# Altium PCB PCB.PcbDoc (part 3 of 10) (continued)
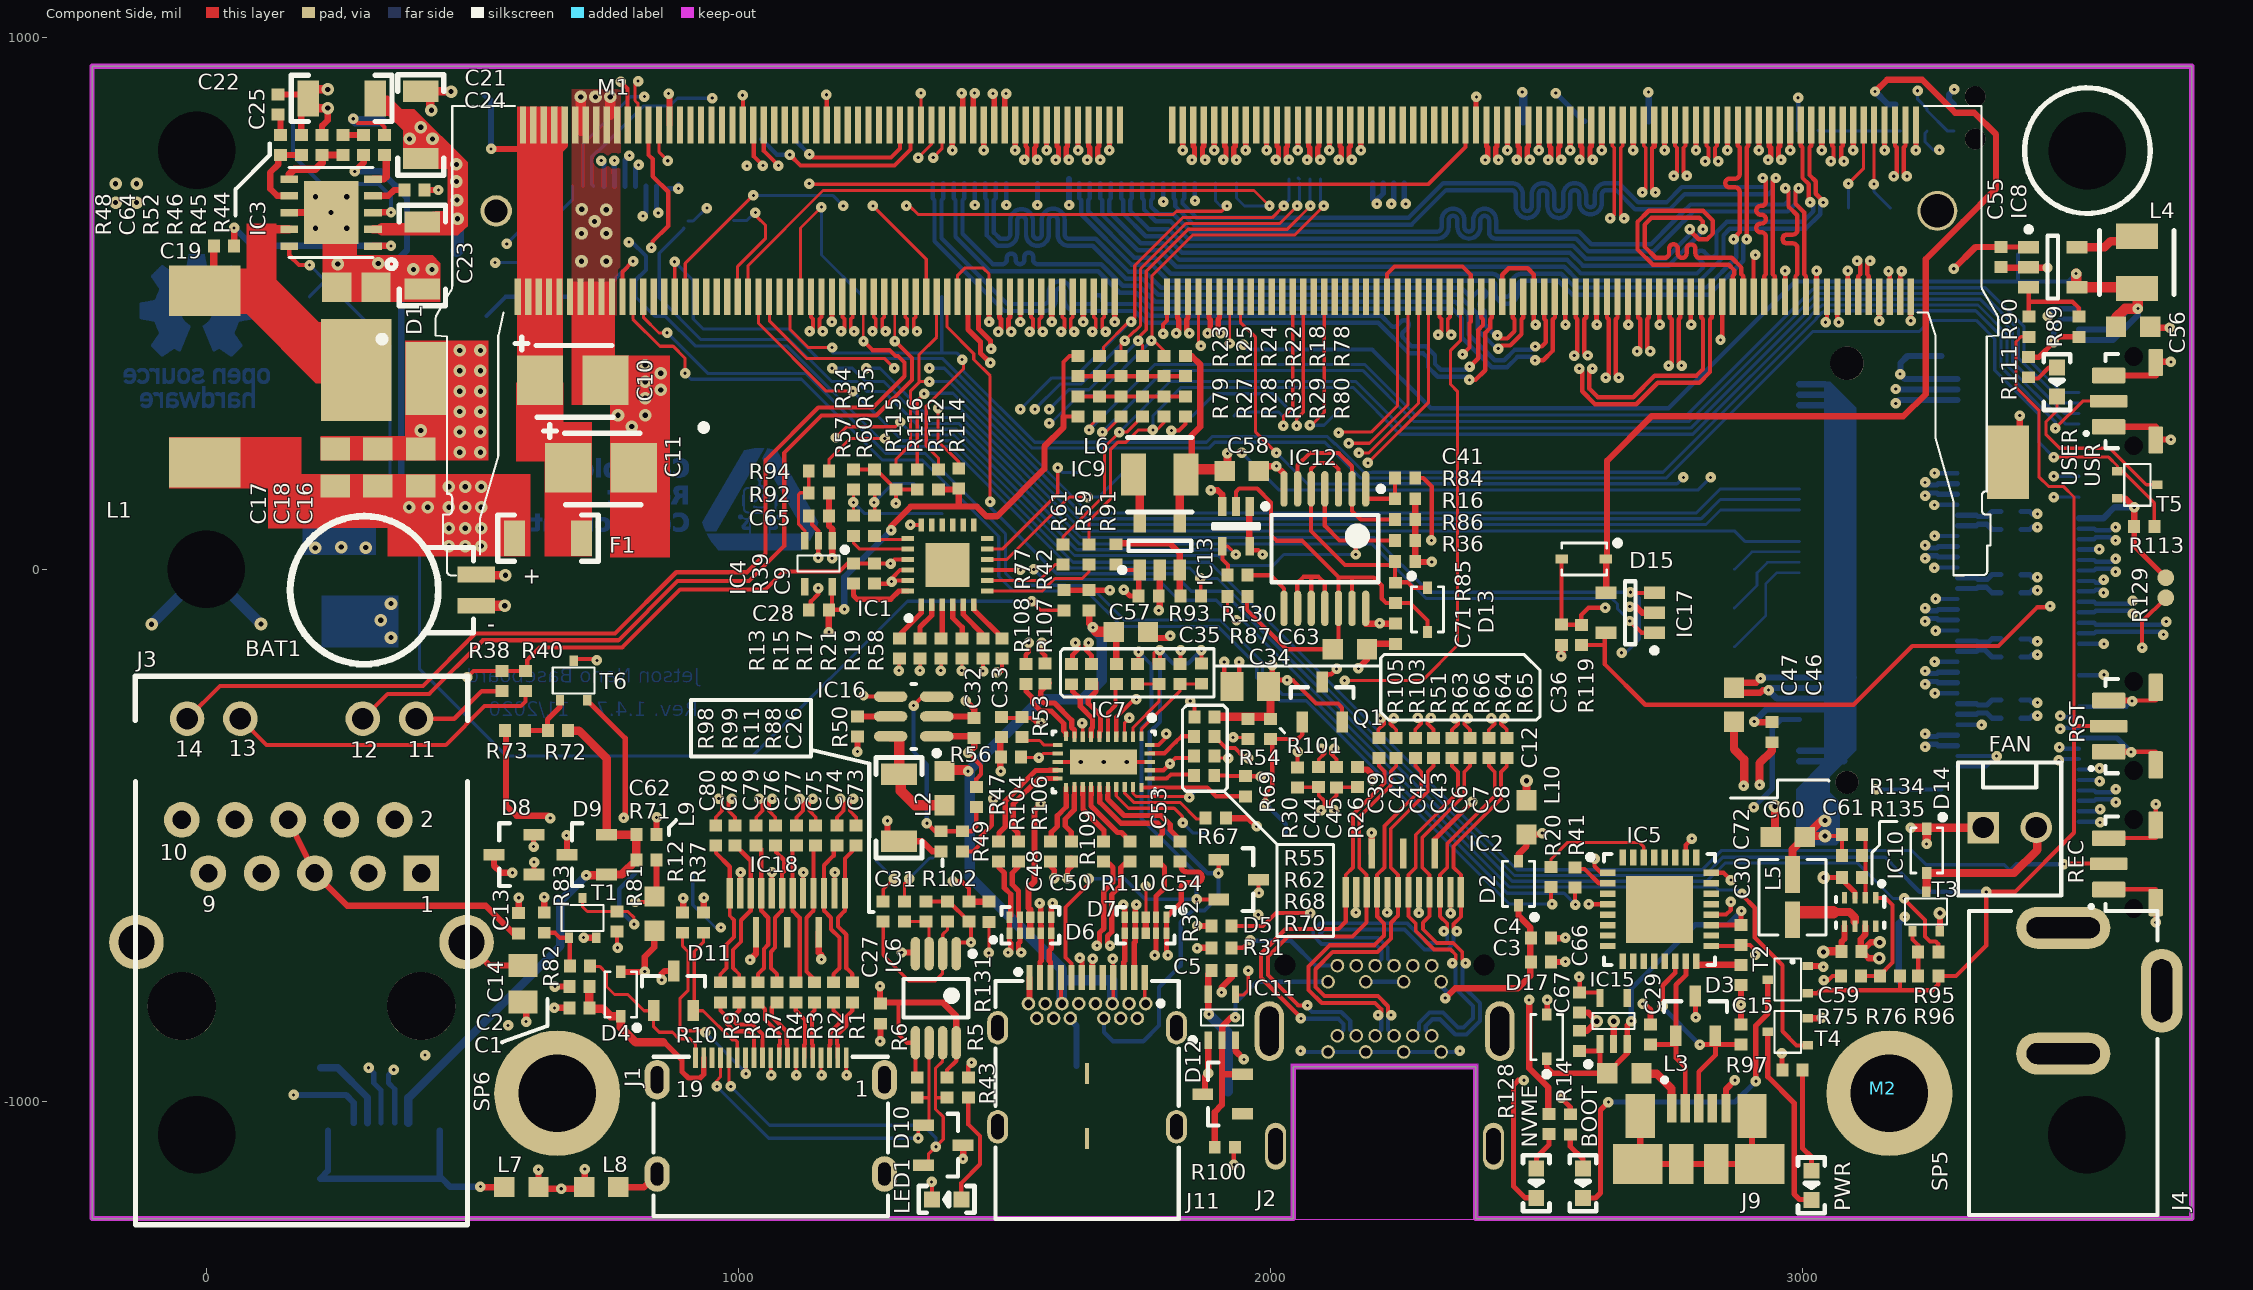
[diagram p0: Component Side view]
## Nets (pads, with @x,y where several pads share a name; then routed paths per layer and width w, separated by ;. In a path a pad name is that pad's centre, name@x,y a point inside that pad or via, vN(x,y) a via of type N, cw(c..) or ccw(c..) an arc to the next point about the centre after c; other vN are vias at no path point) (continued)
  Solder Side w8.27: J6.25@1759.26,725.63 1759.26,697.25 1762.51,694.01 1762.51,676.25 1784.62,654.14 1812.32,654.14 1844.8,621.66 2129.96,621.66 2313.53,621.66 ccw(c2313.53,643.12) 2334.99,643.12 2334.99,656.31 cw(c2343.25,656.31) 2343.25,664.58 cw(c2343.25,656.31) 2351.52,656.31 2351.52,643.12 ccw(c2372.98,643.12) 2372.98,621.66 ccw(c2372.98,643.12) 2394.44,643.12 2394.44,656.31 cw(c2402.7,656.31) 2402.7,664.58 cw(c2402.7,656.31) 2410.97,656.31 2410.97,633.92 ccw(c2423.23,633.92) 2423.23,621.66 2573.99,621.66 2597.59,598.07 2720.6,598.07 2769.33,646.8 2769.33,647.07 2780.4,658.14 2780.67,658.14 2795.13,672.6 2972.27,672.6 2986.95,687.28 2986.95,710.63 v1(2992.66,716.34)
CSI_E_D0_P: J6.26 M1.24 | length 1712.1
  Component Side w8.27: v1(2968.06,716.34) 2973.76,710.63 2973.76,681.78 2990.21,665.34 2990.21,653.99 2990.21,645.72 2990.21,637.45 cw(c2981.94,637.45) 2981.94,629.19 2970.92,629.19 ccw(c2970.92,620.92) 2962.65,620.92 ccw(c2970.92,620.92) 2970.92,612.65 2981.94,612.65 cw(c2981.94,604.38) 2990.21,604.38 2990.21,564.96 2990.21,554.5 2986.96,551.25 M1.24@2986.96,512.29
  Solder Side w8.27: J6.26@1778.94,725.63 1778.94,697.25 1775.7,694.01 1775.7,681.71 1790.08,667.33 1817.78,667.33 1850.26,634.85 2129.96,634.85 2313.53,634.85 ccw(c2313.53,643.12) 2321.8,643.12 2321.8,656.31 cw(c2343.25,656.31) 2343.25,677.77 cw(c2343.25,656.31) 2364.71,656.31 2364.71,643.12 ccw(c2372.98,643.12) 2372.98,634.85 ccw(c2372.98,643.12) 2381.25,643.12 2381.25,656.31 cw(c2402.7,656.31) 2402.7,677.77 cw(c2402.7,656.31) 2424.16,656.31 2424.16,634.85 2579.45,634.85 2603.05,611.25 2715.13,611.25 2756.14,652.26 2756.14,652.53 2774.94,671.32 2775.2,671.32 2789.67,685.79 2966.81,685.79 2973.76,692.74 2973.76,710.63 v1(2968.06,716.34)
CSI_E_D1_N: J6.23 M1.34 | length 1721.3
  Component Side w8.27: v1(2812.83,639.24) 2812.83,653.75 2805.93,660.65 2784.18,660.65 2716.33,660.65 2703.21,647.53 2703.21,606.73 2724.35,585.58 2740.89,585.58 ccw(c2740.89,593.85) 2749.16,593.85 2749.16,602.68 cw(c2757.42,602.68) 2757.42,610.95 cw(c2757.42,602.68) 2765.69,602.68 2765.69,593.85 ccw(c2773.96,593.85) 2773.96,585.58 ccw(c2773.96,593.85) 2782.23,593.85 2782.23,602.35 cw(c2790.49,602.35) 2790.49,610.62 cw(c2790.49,602.35) 2798.76,602.35 2798.76,593.85 ccw(c2807.03,593.85) 2807.03,585.58 2866.93,585.58 2885.29,567.22 2885.29,554.5 2888.53,551.25 M1.34@2888.53,512.29
  Solder Side w8.27: J6.23@1719.89,725.63 1719.89,697.25 1723.14,694.01 1723.14,668.99 1765.8,626.33 1802.83,626.33 1833.87,595.28 2563.06,595.28 2587.42,570.93 2748.32,570.93 2807.12,629.73 2807.12,633.53 v1(2812.83,639.24) v1@2812.83,637.12
CSI_E_D1_P: J6.24 M1.36 | length 1722.6
  Component Side w8.27: v1@2793.94,633.53 v1(2788.23,639.24) 2788.23,637.12 2805.01,620.34 2820.66,620.34 2831.73,631.41 2831.73,655.35 2813.24,673.84 2710.87,673.84 2690.02,652.99 2690.02,601.26 2718.89,572.39 2861.47,572.39 2872.1,561.76 2872.1,554.5 2868.85,551.25 M1.36@2868.85,512.29
  Solder Side w8.27: J6.24@1739.57,725.63 1739.57,697.25 1736.33,694.01 1736.33,674.45 1771.26,639.52 1808.29,639.52 1839.34,608.47 2568.53,608.47 2592.88,584.12 2742.86,584.12 2793.1,634.36 v1(2788.23,639.24)
CSI_F_CLK_N: M1.27 | length 68.5
  Component Side w9.84: M1.27@2957.43,835.12 2957.43,795.25 2954.97,792.79 2954.97,774.58 v1(2959.89,769.66)
CSI_F_CLK_P: M1.29 | length 68.5
  Component Side w9.84: v1(2935.28,769.66) 2940.21,774.58 2940.21,792.79 2937.75,795.25 M1.29@2937.75,835.12
CSI_F_D0_N: J6.21 M1.21 | length 1718.6
  Component Side w8.27: M1.21@3016.49,835.12 3016.49,796.25 3013.24,793.01 3013.24,741.14 3024.75,729.63 3024.75,706.11 3038.96,691.91 v1(3038.96,689.79)
  Solder Side w8.27: J6.21@1680.52,725.63 1680.52,697.25 1683.77,694.01 1683.77,666.86 1750.68,599.95 1791.9,599.95 1822.95,568.91 2552.14,568.91 2578.16,542.89 2807.27,542.89 2851.62,587.24 2851.62,628.15 2863.48,640.01 3005.89,640.01 3033.25,667.36 3033.25,684.08 v1(3038.96,689.79)
CSI_F_D0_P: J6.22 M1.23 | length 1710.5
  Component Side w8.27: M1.23@2996.8,835.12 2996.8,796.25 3000.05,793.01 3000.05,735.68 3011.56,724.17 3011.56,692.58 v1(3014.35,689.79)
  Solder Side w8.27: J6.22@1700.2,725.63 1700.2,697.25 1696.96,694.01 1696.96,672.32 1756.14,613.14 1797.36,613.14 1828.41,582.1 2557.6,582.1 2583.62,556.08 2799.76,556.08 ; 2800.33,556.08 2801.81,556.08 2811.27,565.54 ccw(c2805.43,571.38) 2811.27,577.23 2803.48,585.02 cw(c2809.32,590.87) 2803.48,596.72 cw(c2809.32,590.87) 2815.17,596.72 2822.96,588.92 ccw(c2828.81,594.77) 2834.66,588.92 2838.43,592.7 2838.43,600.97 2838.43,615.51 2838.43,633.62 2858.02,653.2 3000.43,653.2 3020.06,672.83 3020.06,684.08 v1(3014.35,689.79)
CSI_F_D1_N: J6.19 M1.33 | length 1712.8
  Component Side w8.27: v1(2895.13,620.33) 2895.13,793.01 2898.38,796.25 M1.33@2898.38,835.12
  Solder Side w8.27: J6.19@1641.15,725.63 1641.15,697.25 1644.4,694.01 1644.4,689.13 1644.24,688.98 1644.24,673.13 1644.4,672.97 1644.4,667.37 1738.93,572.84 1777.13,572.84 1807.44,542.53 2414.32,542.53 cw(c2414.32,534.26) 2422.58,534.26 2422.58,520.77 ccw(c2444.04,520.77) 2444.04,499.31 ccw(c2444.04,520.77) 2465.5,520.77 2465.5,534.26 cw(c2473.77,534.26) 2473.77,542.53 2541.21,542.53 2567.23,516.51 2825.04,516.51 2888.7,580.17 2888.7,611.78 2895.13,618.21 v1(2895.13,620.33)
CSI_F_D1_P: J6.20 M1.35 | length 1712.8
  Component Side w8.27: v1(2870.52,620.33) 2876.23,626.03 2876.23,628.15 2881.94,633.86 2881.94,709.55 ccw(c2873.67,709.55) 2873.67,717.82 2863.26,717.82 cw(c2863.26,726.09) 2854.99,726.09 cw(c2863.26,726.09) 2863.26,734.36 2873.67,734.36 ccw(c2873.67,742.62) 2881.94,742.62 2881.94,793.01 2878.69,796.25 M1.35@2878.69,835.12
  Solder Side w8.27: J6.20@1660.83,725.63 1660.83,697.25 1657.59,694.01 1657.59,672.84 1744.39,586.03 1782.59,586.03 1812.9,555.72 2414.32,555.72 cw(c2414.32,534.26) 2435.77,534.26 2435.77,520.77 ccw(c2444.04,520.77) 2444.04,512.5 ccw(c2444.04,520.77) 2452.31,520.77 2452.31,534.26 cw(c2473.77,534.26) 2473.77,555.72 2546.67,555.72 2572.7,529.7 2819.57,529.7 2875.51,585.64 2875.51,615.33 v1(2870.52,620.33)
CSI_G_CLK_N: J6.10 M1.76 | length 1466.4
  Component Side w8.27: v1(2428.33,415) 2434.07,420.74 2450.74,420.74 2471.9,441.9 2471.9,470.01 2475.15,473.25 M1.76@2475.15,512.29
  Solder Side w8.27: J6.10@1463.98,725.63 1463.98,697.25 1467.23,694 1467.23,627.56 1486.7,608.1 1502.69,608.1 ccw(c1502.69,629.55) 1524.15,629.55 1524.15,655.53 cw(c1532.41,655.53) 1532.41,663.8 cw(c1532.41,655.53) 1540.68,655.53 1540.68,629.55 ccw(c1562.14,629.55) 1562.14,608.1 ccw(c1562.14,629.55) 1583.59,629.55 1583.59,656.63 cw(c1591.86,656.63) 1591.86,664.89 cw(c1591.86,656.63) 1600.13,656.63 1600.13,629.55 ccw(c1621.59,629.55) 1621.59,608.1 1666.37,608.1 1728.01,546.46 1758.75,546.46 1789.06,516.15 2353.29,516.15 2389.65,479.78 2389.65,450.09 2424.74,415 v1(2428.33,415)
CSI_G_CLK_P: J6.11 M1.78 | length 1456.5
  Component Side w8.27: v1(2426.8,439.67) 2432.54,433.93 2445.28,433.93 2458.71,447.36 2458.71,470.01 2455.46,473.25 M1.78@2455.46,512.29
  Solder Side w8.27: J6.11@1483.67,725.63 1483.67,697.25 1480.42,694 1480.42,633.03 1492.16,621.29 1502.69,621.29 ccw(c1502.69,629.55) 1510.96,629.55 1510.96,655.53 cw(c1532.41,655.53) 1532.41,676.99 cw(c1532.41,655.53) 1553.87,655.53 1553.87,629.55 ccw(c1562.14,629.55) 1562.14,621.29 ccw(c1562.14,629.55) 1570.41,629.55 1570.41,656.63 cw(c1591.86,656.63) 1591.86,678.08 cw(c1591.86,656.63) 1613.32,656.63 1613.32,629.55 ccw(c1621.59,629.55) 1621.59,621.29 1671.83,621.29 1733.47,559.65 1764.22,559.65 1794.53,529.34 2358.75,529.34 2371.91,516.18 ccw(c2377.76,522.02) 2383.61,516.18 2391.4,523.97 cw(c2397.25,518.13) 2403.09,523.97 cw(c2397.25,518.13) 2403.09,512.28 2395.3,504.48 ccw(c2401.14,498.64) 2395.3,492.79 2401.14,486.95 2402.84,485.25 2402.84,476.98 2402.84,460.44 2402.84,459.59 2408.69,453.74 2410.32,452.11 2422.76,439.67 v1(2426.8,439.67)
CSI_G_D0_N: J6.7 M1.70 | length 1468.7
  Component Side w8.27: v1(2497.59,392.88) 2512.65,392.88 2530.95,411.18 2530.95,470.01 2534.82,473.87 2534.82,484.8 2534.2,485.41 M1.70@2534.2,512.29
  Solder Side w8.27: J6.7@1404.93,725.63 1404.93,697.25 1408.18,694.01 1408.18,625.31 1473.03,560.46 1676.71,560.46 1717.08,520.08 1747.83,520.08 1778.14,489.77 2342.34,489.77 2359.83,472.28 2359.83,435.94 2415.99,379.78 2444.82,379.78 2464.32,399.28 2491.18,399.28 v1(2497.59,392.88)
CSI_G_D0_P: J6.8 M1.72 | length 1468.7
  Component Side w8.27: v1(2497.72,418.87) 2509.98,418.87 2517.77,426.66 2517.77,467.85 2514.52,471.09 M1.72@2514.52,512.29
  Solder Side w8.27: J6.8@1424.61,725.63 1424.61,697.25 1421.37,694.01 1421.37,630.78 1478.5,573.65 1496.34,573.65 ccw(c1496.34,581.91) 1504.61,581.91 1504.61,585.35 cw(c1512.88,585.35) 1512.88,593.62 cw(c1512.88,585.35) 1521.15,585.35 1521.15,581.91 ccw(c1529.41,581.91) 1529.41,573.65 ccw(c1529.41,581.91) 1537.68,581.91 1537.68,587.29 cw(c1545.95,587.29) 1545.95,595.56 cw(c1545.95,587.29) 1554.22,587.29 1554.22,581.91 ccw(c1562.49,581.91) 1562.49,573.65 1617.96,573.65 1682.17,573.65 1722.54,533.27 1753.29,533.27 1783.6,502.96 2347.8,502.96 2373.02,477.74 2373.02,441.41 2421.46,392.97 2439.35,392.97 2458.85,412.47 2491.32,412.47 v1(2497.72,418.87)
CSI_G_D1_N: J6.5 M1.82 | length 1473.7
  Component Side w8.27: v1(2374.07,356.17) 2385.53,356.17 2403.63,374.27 2403.63,444.49 2412.84,453.71 2412.84,470.01 2416.09,473.25 M1.82@2416.09,512.29
  Solder Side w8.27: J6.5@1365.56,725.63 1365.56,697.25 1368.81,694.01 1368.81,616.8 1500.04,485.57 1575.08,485.57 ccw(c1575.08,507.02) 1596.54,507.02 1596.54,520.21 cw(c1604.81,520.21) 1604.81,528.48 cw(c1604.81,520.21) 1613.08,520.21 1613.08,507.02 ccw(c1634.53,507.02) 1634.53,485.57 1745.04,485.57 1767.21,463.39 2202.81,463.39 2260.33,405.87 2287.38,405.87 2296.18,397.07 2296.18,380.45 2314.64,361.99 2368.25,361.99 v1(2374.07,356.17)
CSI_G_D1_P: J6.6 M1.84 | length 1475.3
  Component Side w8.27: v1(2374.33,381) v1(2374.33,381) 2374.51,380.74 2390.44,396.66 2390.44,449.95 2399.66,459.17 2399.66,470.01 2396.41,473.25 M1.84@2396.41,512.29
  Solder Side w8.27: J6.6@1385.24,725.63 1385.24,697.25 1382,694.01 1382,622.26 1505.5,498.76 1575.08,498.76 ccw(c1575.08,507.02) 1583.35,507.02 1583.35,520.21 cw(c1604.81,520.21) 1604.81,541.67 cw(c1604.81,520.21) 1626.27,520.21 1626.27,507.02 ccw(c1634.53,507.02) 1634.53,498.76 1659.98,498.76 ccw(c1659.98,507.02) 1668.24,507.02 cw(c1676.51,507.02) 1676.51,515.29 cw(c1676.51,507.02) 1684.78,507.02 ccw(c1693.05,507.02) 1693.05,498.76 1747.79,498.76 1750.5,498.76 1772.68,476.58 2208.27,476.58 2226.63,458.23 ccw(c2232.47,464.08) 2238.32,458.23 2246.11,466.03 cw(c2251.96,460.18) 2257.81,466.03 cw(c2251.96,460.18) 2257.81,454.33 2250.01,446.54 ccw(c2255.86,440.69) 2250.01,434.85 2255.86,429 2265.8,419.06 2274.07,419.06 2290.6,419.06 2292.84,419.06 2309.37,402.53 2309.37,385.91 2320.11,375.18 2328.38,375.18 2330.67,375.18 2368.51,375.18 v1(2374.33,381)
DBG_USB_D_N: C29.2 D3.1 IC5.15 J9.2 | length 355.2
  Component Side w9.06: C29.2@2714.33,-892.9 2761.49,-892.9 D3.1@2761.49,-876.5 ; J9.2@2779.53,-1012.79 2779.53,-935.2 2762.33,-918 2762.33,-781 2781.33,-762 2781.33,-737.23 IC5.15@2780.54,-736.44
DBG_USB_D_P: C15.2 D3.2 IC5.14 J9.3 | length 405.2
  Component Side w9.06: v1(2737.33,-821) 2737.33,-782 2760.86,-758.47 IC5.14@2760.86,-736.44 ; J9.3@2805.12,-1012.79 2805.12,-944.2 2836.33,-913 D3.2@2836.33,-892.9 ; v1(2807.33,-893) 2807.43,-892.9 D3.2@2836.33,-892.9 ; C15.2@2884.33,-892.9 D3.2@2836.33,-892.9
  Solder Side w9.06: v1(2737.33,-821) 2737.33,-823 v1(2807.33,-893)
DP_CEC: J2.6 R32.2 | length 296.2
  Component Side w7.87: R32.2@1927.23,-670 1986.33,-670 2010.33,-646 v1(2075.33,-646)
  Signal 1 w7.87: v1(2075.33,-646) 2075.33,-658.41 J2.6@2161.49,-744.56
  Solder Side w7.87: J2.6@2158.7,-741.78 J2.6@2161.49,-744.56
DP_HPD: IC11.4 M1.88 | length 1600.8
  Component Side w5.91: IC11.4@1934.51,-798.38 1936.12,-800 1949.33,-800 1958.33,-791 v1(1958.33,-754) ; v1@2147.33,-209 2285.33,-209 2351.33,-143 2351.33,335 2338.73,347.6 2338.73,411.55 2357.53,430.35 2357.53,511.79 M1.88@2357.04,512.29
  Signal 1 w5.91: v1(1958.33,-754) 1939.33,-735 1939.33,-616 2025.33,-530 2025.33,-323 v1(2139.33,-209)
DP_HPD_IN: D12.2 IC11.2 J2.2 R100.2 | length 529.2
  Component Side w7.87: D12.2@1949.73,-948.6 D12.2@1951.73,-948.6
  Component Side w11.81: R100.2@1895.43,-1086 1895.43,-1019.9 1908.92,-1006.41 1908.92,-948.6 ; v1(1934.33,-842) 1926.33,-842 1909.33,-859 1909.33,-884.59 IC11.2@1908.92,-885 1908.92,-936.59 1908.92,-948.6 ; D12.2@1949.73,-948.6 D12.2@1947.73,-948.6 1920.93,-948.6 1908.92,-948.6
  Signal 1 w7.87: J2.2@2105.44,-772.18 J2.2@2108.34,-775.08
  Solder Side w7.87: v1(1934.33,-842) 1934.33,-815 1974.25,-775.08 J2.2@2108.34,-775.08
DP_MODE: J2.4 R31.2 | length 224.4
  Component Side w7.87: R31.2@1927.23,-711.25 1948.08,-711.25 v1(1962.33,-697)
  Solder Side w7.87: v1(1962.33,-697) 1963.33,-698 2038.33,-698 2084.89,-744.56 J2.4@2126.05,-744.56
DP_PWR: D2.A L10.2 R26.2 | length 669.8
  Component Side w11.81: R26.2@2164.7,-371.52 2169.17,-376 2182.33,-376 2189.17,-382.84 2189.17,-396 v1(2191.33,-396) ; D2.A@2466.33,-548.46 2466.33,-535 2481.33,-520 L10.2@2481.33,-498.09 2508.29,-498.09 v1(2510.92,-495.46)
  Signal 1 w11.81: v1(2191.33,-396) 2171.33,-376 2171.33,-347 2182.59,-335.74 2471.07,-335.74 2511.1,-375.77 2511.1,-495.27 v1(2510.92,-495.46)
EDP0_TX_N: C40.1 M1.39 | length 1609.5
  Component Side w7.09: v1(2231.82,-279.68) 2225.52,-285.98 2225.52,-290.43 2236.52,-301.43 C40.1@2236.52,-316.84 ; M1.39@2839.32,835.12 2839.32,796.25 2835.48,792.42 2835.48,773.45 v1(2841.78,767.15)
  Signal 1 w4.92: v1(2231.82,-279.68) 2224.44,-272.3 2224.44,-244.37 2378.01,-90.8 2380.37,-88.43 2380.37,298.67 2403.99,322.28 2403.99,624.68 2518.43,739.13 2626.04,739.13 2645.64,758.72 2800.45,758.72 2813.59,745.59 2826.16,745.59 2841.78,761.21 v1(2841.78,767.15)
EDP0_TX_P: C39.1 M1.41 | length 1583.9
  Component Side w7.09: C39.1@2202.52,-316.84 2202.52,-301.43 2213.51,-290.43 2213.51,-285.98 v1(2207.21,-279.68) ; v1(2817.18,767.15) 2823.47,773.45 2823.47,792.42 2819.64,796.25 M1.41@2819.64,835.12
  Signal 1 w4.92: v1(2207.21,-279.68) 2214.6,-272.3 2214.6,-240.29 2370.53,-84.36 2370.53,302.75 2394.15,326.36 2394.15,628.76 2515.09,749.7 2622.7,749.7 2641.56,768.56 2800.45,768.56 2815.76,768.56 v1(2817.18,767.15)
EDP1_TX_N: C43.1 M1.45 | length 1601.3
  Component Side w7.09: v1(2301.63,-278.9) 2295.33,-285.2 2295.33,-289.64 2306.33,-300.64 C43.1@2306.33,-316.06 ; M1.45@2780.27,835.12 2780.27,796.25 2776.43,792.42 2776.43,745.79 v1(2782.73,739.49)
  Signal 1 w4.92: v1(2301.63,-278.9) 2294.25,-271.51 2294.25,-240.26 2435.94,-98.57 2435.94,208.74 ccw(c2421.17,208.74) 2421.17,223.51 2409.36,223.51 cw(c2409.36,228.43) 2404.44,228.43 cw(c2409.36,228.43) 2409.36,233.35 2421.17,233.35 ccw(c2421.17,248.11) 2435.94,248.11 ccw(c2421.17,248.11) 2421.17,262.88 2409.36,262.88 cw(c2409.36,267.8) 2404.44,267.8 cw(c2409.36,267.8) 2409.36,272.72 2421.17,272.72 ccw(c2421.17,287.48) 2435.94,287.48 2435.94,335.82 2455.4,355.27 2455.4,642.66 2524.98,712.25 2641.45,712.25 2658.84,729.64 2743.6,729.64 2750.98,722.26 2765.25,722.26 2782.48,739.49 v1(2782.73,739.49)
EDP1_TX_P: C42.1 M1.47 | length 1582.8
  Component Side w7.09: C42.1@2272.33,-316.06 2272.33,-300.64 2283.32,-289.64 2283.32,-285.2 v1(2277.02,-278.9) ; v1(2758.12,739.49) 2764.42,745.79 2764.42,792.42 2760.58,796.25 M1.47@2760.58,835.12
  Signal 1 w4.92: v1(2277.02,-278.9) 2284.41,-271.51 2284.41,-236.18 2426.09,-94.49 2426.09,208.74 ccw(c2421.17,208.74) 2421.17,213.66 2409.36,213.66 cw(c2409.36,228.43) 2394.6,228.43 cw(c2409.36,228.43) 2409.36,243.19 2421.17,243.19 ccw(c2421.17,248.11) 2426.09,248.11 ccw(c2421.17,248.11) 2421.17,253.03 2409.36,253.03 cw(c2409.36,267.8) 2394.6,267.8 cw(c2409.36,267.8) 2409.36,282.56 2421.17,282.56 ccw(c2421.17,287.48) 2426.09,287.48 2426.09,339.89 2427.35,341.15 2445.55,359.35 2445.55,646.74 2520.9,722.09 2637.37,722.09 2654.77,739.49 v1(2758.12,739.49)
EDP2_TX_N: C7.1 M1.51 | length 1620.6
  Component Side w7.09: v1(2370.69,-279.68) 2364.39,-285.98 2364.39,-290.43 2375.39,-301.43 C7.1@2375.39,-316.84 ; M1.51@2721.21,835.12 2721.21,796.25 2717.37,792.42 2717.37,714.49 2723.26,708.6 v1(2723.67,708.6)
  Component Side w9.84: 2721.21,795.25 M1.51@2721.21,835.12
  Signal 1 w4.92: v1(2370.69,-279.68) 2363.31,-272.3 2363.31,-234.03 2479.92,-117.43 2479.92,185.82 cw(c2484.84,185.82) 2484.84,190.75 2496.62,190.74 ccw(c2496.62,205.51) 2511.38,205.51 ccw(c2496.62,205.51) 2496.62,220.27 2484.84,220.27 cw(c2484.84,225.19) 2479.92,225.19 cw(c2484.84,225.19) 2484.84,230.12 2496.62,230.12 ccw(c2496.62,244.88) 2511.38,244.88 ccw(c2496.62,244.88) 2496.62,259.64 2484.84,259.64 cw(c2484.84,264.56) 2479.92,264.56 cw(c2484.84,264.57) 2484.84,269.49 2496.62,269.49 ccw(c2496.62,284.25) 2511.38,284.25 ccw(c2496.62,284.25) 2496.62,299.01 2484.84,299.01 cw(c2484.84,303.94) 2479.92,303.94 cw(c2484.84,303.94) 2484.84,308.86 2496.62,308.86 ccw(c2496.62,323.62) 2511.38,323.62 ccw(c2496.62,323.62) 2496.62,338.38 2484.84,338.38 cw(c2484.84,343.31) 2479.92,343.31 2479.92,602.68 2561.26,684.03 2684.33,684.03 2698.85,684.03 2723.42,708.6 v1(2723.67,708.6)
EDP2_TX_P: C6.1 M1.53 | length 1568.4
  Component Side w7.09: C6.1@2341.39,-316.84 2341.39,-301.43 2352.39,-290.43 2352.39,-285.98 v1(2346.09,-279.68) ; v1(2699.06,708.6) 2699.47,708.6 2705.36,714.49 2705.36,792.42 2701.53,796.25 M1.53@2701.53,835.12
  Signal 1 w4.92: v1(2346.09,-279.68) 2353.47,-272.3 2353.47,-229.96 2470.07,-113.35 2470.07,185.82 cw(c2484.84,185.82) 2484.84,200.59 2496.62,200.59 ccw(c2496.62,205.51) 2501.54,205.51 ccw(c2496.62,205.51) 2496.62,210.43 2484.84,210.43 cw(c2484.84,225.19) 2470.07,225.19 cw(c2484.84,225.19) 2484.84,239.96 2496.62,239.96 ccw(c2496.62,244.88) 2501.54,244.88 ccw(c2496.62,244.88) 2496.62,249.8 2484.84,249.8 cw(c2484.84,264.56) 2470.07,264.56 cw(c2484.84,264.57) 2484.84,279.33 2496.62,279.33 ccw(c2496.62,284.25) 2501.54,284.25 ccw(c2496.62,284.25) 2496.62,289.17 2484.84,289.17 cw(c2484.84,303.94) 2470.07,303.94 cw(c2484.84,303.94) 2484.84,318.7 2496.62,318.7 ccw(c2496.62,323.62) 2501.54,323.62 ccw(c2496.62,323.62) 2496.62,328.54 2484.84,328.54 cw(c2484.84,343.31) 2470.07,343.31 2470.07,606.76 2557.18,693.87 2684.33,693.87 v1(2699.06,708.6)
EDP3_TX_N: C12.1 M1.57 | length 1600.9
  Component Side w7.09: v1(2439.73,-279.68) 2433.43,-285.98 2433.43,-290.43 2444.43,-301.43 C12.1@2444.43,-316.84 ; M1.57@2662.16,835.12 2662.15,796.25 2658.32,792.42 2658.32,665.96 v1(2664.62,659.66)
  Signal 1 w4.92: v1(2439.73,-279.68) 2432.35,-272.3 2432.35,-232.51 2533.15,-131.71 2533.15,-89.19 cw(c2538.07,-89.19) 2538.07,-84.27 2551.5,-84.27 ccw(c2551.5,-69.5) 2566.27,-69.5 ccw(c2551.5,-69.5) 2551.5,-54.74 2538.07,-54.74 cw(c2538.07,-49.82) 2533.15,-49.82 cw(c2538.07,-49.82) 2538.07,-44.9 2551.5,-44.9 ccw(c2551.5,-30.13) 2566.27,-30.13 ccw(c2551.5,-30.13) 2551.5,-15.37 2538.07,-15.37 cw(c2538.07,-10.45) 2533.15,-10.45 cw(c2538.07,-10.45) 2538.07,-5.53 2551.5,-5.53 ccw(c2551.5,9.24) 2566.27,9.24 ccw(c2551.5,9.24) 2551.5,24 2538.07,24 cw(c2538.07,28.92) 2533.15,28.92 cw(c2538.07,28.92) 2538.07,33.85 2551.5,33.85 ccw(c2551.5,48.61) 2566.27,48.61 ccw(c2551.5,48.61) 2551.5,63.37 2538.07,63.37 cw(c2538.07,68.29) 2533.15,68.29 cw(c2538.07,68.29) 2538.07,73.22 2551.5,73.22 ccw(c2551.5,87.98) 2566.27,87.98 ccw(c2551.5,87.98) 2551.5,102.74 2538.07,102.74 cw(c2538.07,107.67) 2533.15,107.67 cw(c2538.07,107.67) 2538.07,112.59 2551.5,112.59 ccw(c2551.5,127.35) 2566.27,127.35 ccw(c2551.5,127.35) 2551.5,142.11 2533.77,142.11 ; 2533.15,142.74 2533.15,588.46 2594.51,649.82 2624.15,649.82 2631.19,642.78 2632.54,642.78 2632.87,642.44 2647.14,642.44 2664.37,659.66 v1(2664.62,659.66)
EDP3_TX_P: C8.1 M1.59 | length 1587.1
  Component Side w7.09: C8.1@2410.43,-316.84 2410.43,-301.43 2421.42,-290.43 2421.42,-285.98 v1(2415.12,-279.68) ; v1(2638.33,660) 2639.67,660 2640.01,659.66 2646.31,665.96 2646.31,792.42 2642.47,796.25 M1.59@2642.47,835.12
  Signal 1 w4.92: v1(2415.12,-279.68) 2422.5,-272.3 2422.5,-228.43 2523.3,-127.63 2523.3,-89.19 cw(c2538.07,-89.19) 2538.07,-74.42 2551.5,-74.42 ccw(c2551.5,-69.5) 2556.42,-69.5 ccw(c2551.5,-69.5) 2551.5,-64.58 2538.07,-64.58 cw(c2538.07,-49.82) 2523.3,-49.82 cw(c2538.07,-49.82) 2538.07,-35.05 2551.5,-35.05 ccw(c2551.5,-30.13) 2556.42,-30.13 ccw(c2551.5,-30.13) 2551.5,-25.21 2538.07,-25.21 cw(c2538.07,-10.45) 2523.3,-10.45 cw(c2538.07,-10.45) 2538.07,4.32 2551.5,4.32 ccw(c2551.5,9.24) 2556.42,9.24 ccw(c2551.5,9.24) 2551.5,14.16 2538.07,14.16 cw(c2538.07,28.92) 2523.3,28.92 cw(c2538.07,28.92) 2538.07,43.69 2551.5,43.69 ccw(c2551.5,48.61) 2556.42,48.61 ccw(c2551.5,48.61) 2551.5,53.53 2538.07,53.53 cw(c2538.07,68.29) 2523.3,68.29 cw(c2538.07,68.29) 2538.07,83.06 2551.5,83.06 ccw(c2551.5,87.98) 2556.42,87.98 ccw(c2551.5,87.98) 2551.5,92.9 2538.07,92.9 cw(c2538.07,107.67) 2523.3,107.67 cw(c2538.07,107.67) 2538.07,122.43 2551.5,122.43 ccw(c2551.5,127.35) 2556.42,127.35 ccw(c2551.5,127.35) 2551.5,132.27 2533.77,132.27 cw(c2533.77,142.74) 2523.3,142.74 2523.3,592.53 2590.43,659.66 2624.15,659.66 2640.01,659.66 2639.67,660 v1(2638.33,660)
EDP_AUX_C_N: C45.2 J2.18 R26.1 | length 535.3
  Component Side w7.09: v1(2119.96,-452.92) 2117.13,-452.92 2113.66,-449.45 2113.66,-435.55 2124.47,-424.75 C45.2@2124.47,-409.5 2124.65,-409.32 R26.1@2163.76,-409.32
  Signal 1 w4.92: v1(2119.96,-452.92) 2112.58,-460.3 2112.58,-652.09 2139.02,-678.54 2258.76,-678.54 2290.42,-710.2 2290.42,-731.77 J2.18@2303.22,-744.56
EDP_AUX_C_P: C44.2 J2.16 R30.2 | length 536.1
  Component Side w7.09: R30.2@2051.18,-410.05 2051.92,-409.32 C44.2@2090.84,-409.32 2090.84,-424.75 2101.65,-435.55 2101.65,-449.45 2098.18,-452.92 v1(2095.35,-452.92)
  Signal 1 w4.92: v1(2095.35,-452.92) 2102.73,-460.3 2102.73,-656.17 2109.2,-662.64 2134.94,-688.38 2254.68,-688.38 2280.58,-714.28 2280.58,-731.77 J2.16@2267.79,-744.56
EDP_AUX_N: C45.1 M1.90 | length 994
  Component Side w7.09: v1(2119.96,-337.22) 2117.27,-337.22 2113.66,-340.83 2113.66,-345.94 2124.47,-356.75 C45.1@2124.47,-371.71 ; M1.90@2337.35,512.29 2337.35,474.25 2333.51,470.42 2333.51,446.83 v1(2339.81,440.54)
  Signal 1 w4.92: v1(2119.96,-337.22) 2112.58,-329.84 2112.58,-287.21 2332.43,-67.35 2332.43,433.15 v1(2339.81,440.54)
EDP_AUX_P: C44.1 M1.92 | length 993.9
  Component Side w7.09: C44.1@2090.84,-371.52 2090.84,-356.75 2101.65,-345.94 2101.65,-340.83 2098.04,-337.22 v1(2095.35,-337.22) ; v1(2315.21,440.54) 2321.51,446.83 2321.51,470.42 2317.67,474.25 M1.92@2317.67,512.29
  Signal 1 w4.92: v1(2095.35,-337.22) 2102.73,-329.84 2102.73,-283.13 2322.59,-63.27 2322.59,433.15 v1(2315.21,440.54)
EEPROM_PWR: D15.C IC17.4 TP30.1 | length 1770.5
  Component Side w11.81: D15.C@2630.49,19.59 2632.8,21.91 2632.8,204.18 2716.22,287.59 3189.62,287.59 3231.4,329.38 3231.4,583.21 3301.92,653.73 3302.14,653.73 3363.75,715.34 3363.75,817.49 3322.9,858.34 3286.84,858.34 3224.9,920.28 3207.78,920.28 3207.73,920.33 3158.93,920.33 3136.72,898.12 v1(3136.3,898.12) ; IC17.4@2631.15,-44.12 D15.C@2631.15,19.59
  Solder Side w11.81: v1(3136.3,898.12) 3160.54,873.88 TP30.1@3174.73,873.88
EGND: C14.1 J3.S SP4.1 | length 124.2
  Component Side w11.81: J3.S@489.3,-700.71 533.15,-744.55 C14.1@595.33,-744.55
EN_MUX: IC7.12 R56.2 R68.1 | length 461.6
  Component Side w5.91: R56.2@1536.37,-353.86 v1(1564.93,-353.86) 1572.81,-345.98 IC7.12@1600.15,-345.98 ; R68.1@1894.64,-354.65 1918.25,-354.65 v1@1919.04,-353.86
  Signal 1 w5.91: v1(1564.93,-353.86) 1626.27,-353.86 1636.12,-344.01 1876.26,-344.01 1886.9,-354.65 1910.79,-354.65 v1@1912.71,-354.65 ; v1(1921.17,-354.66) v1@1912.72,-354.66 ; v1@1912.72,-354.66 1913.17,-355.11 1911.25,-355.11 1910.8,-354.66 v1@1912.72,-354.66
ENET_LED0: J3.14 M1.194 | length 1920.5
  Component Side w4.92: M1.194@1234.99,512.29 1234.99,429.34 v1(1235.33,429)
  Component Side w7.87: J3.14@-35.86,-280.63 25.77,-219 407.19,-219 505.69,-120.5 768.24,-120.5 883.34,-5.41 1016.33,-5.41 1051.28,29.53 1051.28,204.95 1150.33,304 1253.33,304 1312.33,363 1312.33,389 1300.33,401 1295.33,401 1284.33,412 1252.33,412 v1(1235.33,429)
ENET_LED1: J3.12 M1.188 | length 1567.2
  Component Side w4.92: v1@1294.05,429.34 M1.188@1294.05,512.29
  Component Side w7.87: J3.12@294.45,-280.63 341.08,-234 419.08,-234 519.79,-133.3 774.58,-133.3 885.81,-22.06 1020.2,-22.06 1086.22,43.95 1086.22,218.89 1156.33,289 1259.33,289 1326.33,356 1326.33,397.06 v1(1294.38,429)
ENET_TRD0_N: J3.1 M1.184 | length 2009.9
  Component Side w7.09: M1.184@1333.42,512.29 1333.42,474.25 1329.58,470.42 1329.58,453.49 v1(1335.88,447.19)
  Signal 3 w4.92: J3.1@404.14,-570.79 404.14,-508.83 463.07,-449.9 498.69,-449.9 777.17,-449.9 777.24,-449.83 791.51,-449.83 791.58,-449.9 797.28,-449.9 972.25,-274.93 972.25,-254.71 ccw(c956.11,-254.71) 956.11,-238.57 954.53,-238.57 cw(c954.53,-233.64) 954.53,-228.72 978.74,-228.72 ccw(c978.74,-212.58) 994.88,-212.58 ccw(c978.74,-212.58) 978.74,-196.44 954.53,-196.44 cw(c954.53,-191.52) 954.53,-186.6 978.74,-186.6 ccw(c978.74,-170.45) 994.88,-170.45 ccw(c978.74,-170.45) 978.74,-154.31 954.53,-154.31 cw(c954.53,-149.39) 954.53,-144.47 978.74,-144.47 ccw(c978.74,-128.33) 994.88,-128.33 ccw(c978.74,-128.33) 978.74,-112.19 973.83,-112.19 cw(c973.83,-110.6) 972.25,-110.6 972.25,203.44 1035.36,266.55 1259.12,266.55 1329.18,336.62 1329.18,440.5 v1(1335.88,447.19)
ENET_TRD0_P: J3.2 M1.186 | length 2009.9
  Component Side w7.09: v1(1311.27,447.19) 1317.57,453.49 1317.57,470.42 1313.73,474.25 M1.186@1313.73,512.29
  Signal 3 w4.92: J3.2@354.14,-470.79 386.25,-438.68 402.19,-438.68 cw(c402.19,-443.6) 407.11,-443.6 407.11,-458.81 ccw(c412.03,-458.81) 412.03,-463.73 ccw(c412.03,-458.81) 416.96,-458.81 416.96,-443.6 cw(c421.88,-443.6) 421.88,-438.68 792.63,-438.68 961.03,-270.28 961.03,-254.71 ccw(c956.11,-254.71) 956.11,-249.79 954.53,-249.79 cw(c954.53,-233.64) 954.53,-217.5 978.74,-217.5 ccw(c978.74,-212.58) 983.66,-212.58 ccw(c978.74,-212.58) 978.74,-207.66 954.53,-207.66 cw(c954.53,-191.52) 954.53,-175.38 978.74,-175.38 ccw(c978.74,-170.45) 983.66,-170.45 ccw(c978.74,-170.45) 978.74,-165.53 954.53,-165.53 cw(c954.53,-149.39) 954.53,-133.25 978.74,-133.25 ccw(c978.74,-128.33) 983.66,-128.33 ccw(c978.74,-128.33) 978.74,-123.41 973.83,-123.41 cw(c973.83,-110.6) 961.03,-110.6 961.03,208.09 1030.71,277.77 1254.47,277.77 1317.96,341.27 1317.96,440.5 v1(1311.27,447.19)